# Altium PCB braking_io.PcbDoc (part 2 of 4)
Units mil, origin at the board's own origin, x right, y up, seen from the top; angles counter-clockwise.
Board outline 6000 x 3840 mil, 4 copper layers (Top Layer, GND, PWR, Bottom Layer), stack 61.7 mil thick; 450 components, 207 nets, 1137 pads, 398 vias.
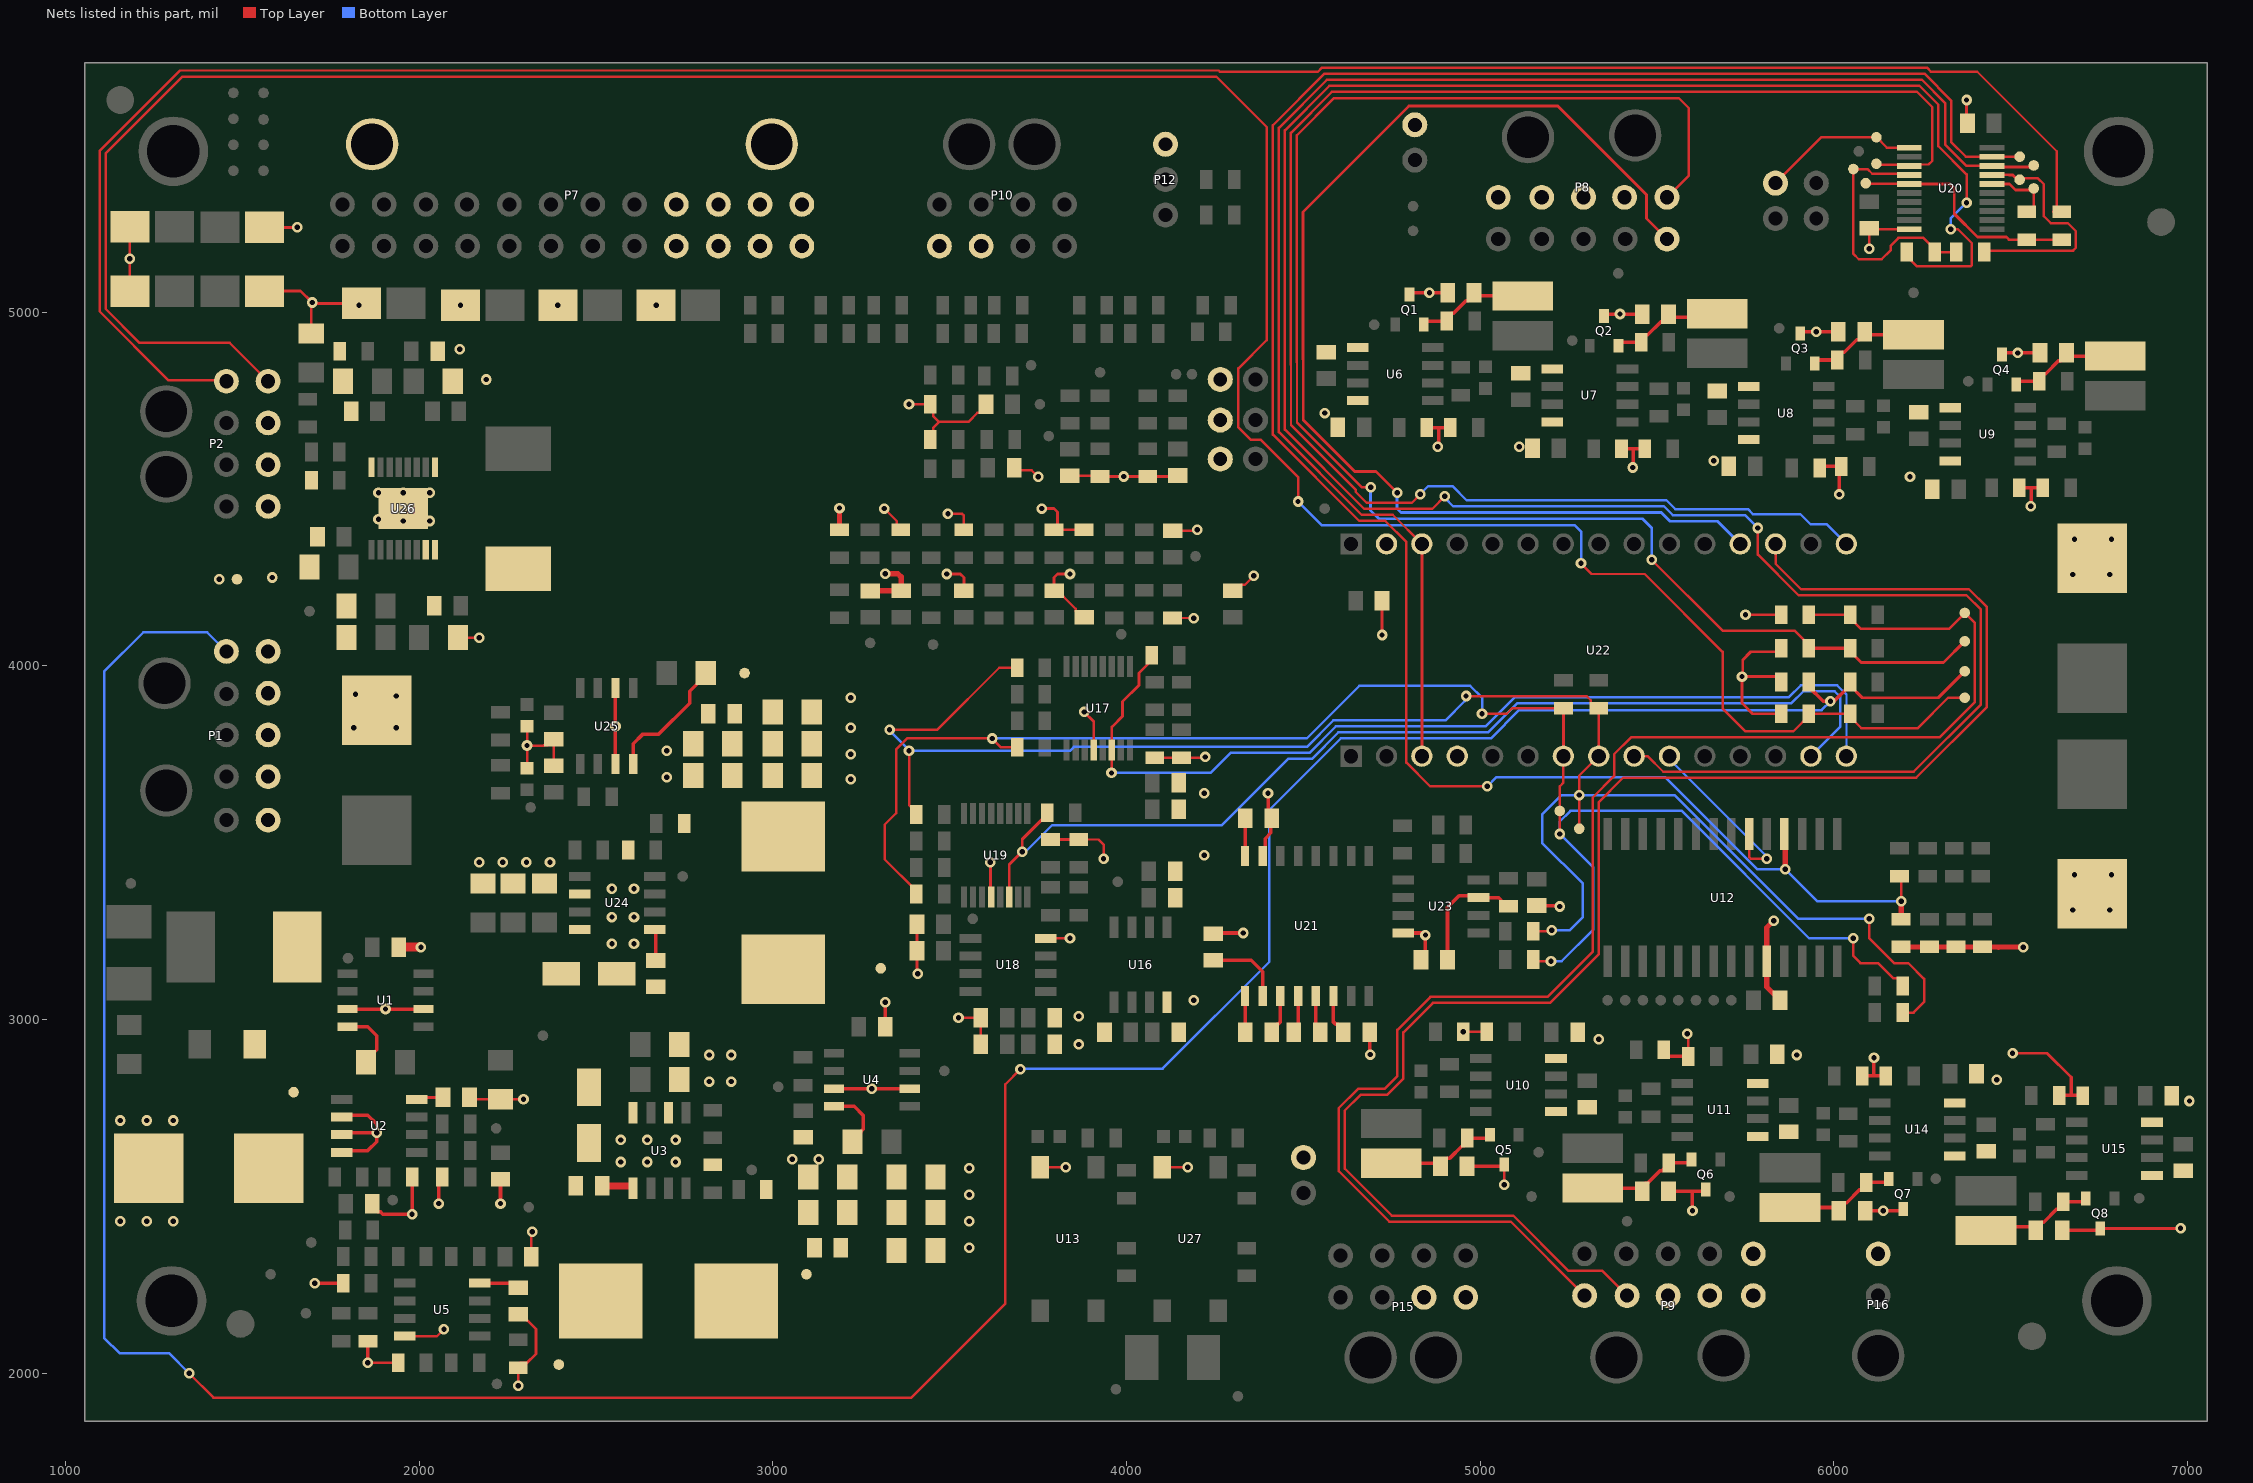
[diagram p4: the nets of this part, all layers, seen from the top]

## Part data (continued)
C106: library part GQM2195C2A100GB01D, "CAP CER 10PF 100V NP0 0805", Digi-Key Part Number=490-6098-1-ND, Manufacturer="Murata Electronics North America", Operating Temperature="-55°C ~ 125°C", Package / Case="0805 (2012 Metric)", Ratings=-, Temperature Coefficient="C0G, NP0", Tolerance=±2%, Voltage=100V, @ qty=0, Applications="RF, Microwave, High Frequency", Datasheets=http://www.murata.com/~/media/webrenewal/support/library/catalog/products/capacitor/mlcc/c02e.pdf, Factory Stock=0, Features="High Q, Low Loss", Height - Seated (Max)=-, Image=//media.digikey.com/Renders/Murata%20Renders/0805(GxM9).jpg, Lead Spacing=-, Lead Style=-, Minimum Quantity=1, Mounting Type="Surface Mount, MLCC", Packaging="Cut Tape (CT)", Part Number=GQM2195C2A100GB01D, Part Status=Active, Quantity Available=3211, Series=GQM, Size / Dimension="0.079\" L x 0.049\" W (2.00mm x 1.25mm)", Thickness (Max)="0.037\" (0.95mm)", Unit Price (USD)=0.91
D1 D18: "DIODE SCHOTTKY 40V 3A SMA", Average Rectified Current=3A, Capacitance=250pF, Case/Package=SMA, Forward Voltage=500mV, Manufacturer=Diodes, Max Forward Surge Current (Ifsm)=80A, Max Operating Temperature=125°C, Max Repetitive Reverse Voltage (Vrrm)=40V, Min Operating Temperature=-55°C, Package Quantity=5000, Peak Reverse Current=500uA, Supplier Part Number 1=B340A-FDICT-ND, ComponentLink1Description=https://datasheet.ciiva.com/26949/getdatasheetpartid-143394-26949352.pdf?src-supplier=Verical, ComponentLink1URL=https://datasheet.ciiva.com/26949/getdatasheetpartid-143394-26949352.pdf?src-supplier=Verical, ComponentLink2Description=https://datasheet.ciiva.com/4245/861ds30891-4245763.pdf?src-supplier=Arrow, ComponentLink2URL=https://datasheet.ciiva.com/4245/861ds30891-4245763.pdf?src-supplier=Arrow, ComponentLink3Description=https://datasheet.ciiva.com/1177/ds30891-1177476.pdf?src-supplier=Element14, ComponentLink3URL=https://datasheet.ciiva.com/1177/ds30891-1177476.pdf?src-supplier=Element14, ComponentLink4Description=https://datasheet.ciiva.com/913/ds30891-913638.pdf?src-supplier=Digi-Key, ComponentLink4URL=https://datasheet.ciiva.com/913/ds30891-913638.pdf?src-supplier=Digi-Key, ComponentLink5Description=https://datasheet.ciiva.com/46393/1911813-46393773.pdf?src-supplier=Element14, ComponentLink5URL=https://datasheet.ciiva.com/46393/1911813-46393773.pdf?src-supplier=Element14, ComponentLink6Description=https://datasheet.ciiva.com/1240/ds30891-1240228.pdf?src-supplier=Newark, ComponentLink6URL=https://datasheet.ciiva.com/1240/ds30891-1240228.pdf?src-supplier=Newark, ComponentLink7Description=https://datasheet.ciiva.com/913/ds30891-913637.pdf?src-supplier=Digi-Key, ComponentLink7URL=https://datasheet.ciiva.com/913/ds30891-913637.pdf?src-supplier=Digi-Key, ComponentLink8Description=https://datasheet.ciiva.com/913/ds30891-913639.pdf?src-supplier=Digi-Key, ComponentLink8URL=https://datasheet.ciiva.com/913/ds30891-913639.pdf?src-supplier=Digi-Key, Contact Plating=Tin,Matte, Current=3A, Current Rating=3A, Element Configuration=Single, Forward Current=3A, Height=2.3mm, Lead Free="Lead Free", Length=4.6mm, Manufacturer Part Number=B340A-13-F, Max Reverse Voltage (DC)=40V, Mount="Surface Mount", Number of Pins=2, Output Current=3A, Packaging="Tape and Reel", Peak Non-Repetitive Surge Current=80A, Polarity=Standard, Pricing 1="1=0.42000, 10=0.33900, 100=0.23070, 500=0.17304, 1000=0.12978 (USD)", Radiation Hardening=No, REACH SVHC="No SVHC", RoHS=Yes, Stock 1=438328, Supplier 1=Digi-Key, Termination=SMD/SMT, Voltage=40V, Voltage Rating (DC)=40V, Weight=0.002258oz, Width=2.92mm
D2 D3 D4 D5 D6 D7 D8 D9: "Diodes - General Purpose, Power, Switching SMT Fast Switching Diode", Manufacturer="Diodes Inc.", Digikey Link=https://www.digikey.com/product-detail/en/diodes-incorporated/1N4148WQ-7-F/1N4148WQ-7-FDITR-ND/8136126, Digikey P/N=1N4148WQ-7-FDITR-ND, Manufacturer P/N=1N4148WQ-7-F
D10 D11 D12 D13 D14 D15 D16 D17: "TVS DIODE 15V 24.4V DO214AA", Breakdown Voltage=16.7V, Case/Package=SMB, Clamping Voltage=24.4V, Current=68A, Leakage Current=1uA, Manufacturer=Littelfuse, Max Breakdown Voltage=18.5V, Max Operating Temperature=150°C, Max Power Dissipation=5W, Max Surge Current=24.6A, Min Operating Temperature=-65°C, Operating Supply Voltage=15V, Package Quantity=3000, Peak Pulse Power=600W, Power Line Protection=No, Supplier Part Number 1=SMBJ15ALFCT-ND, Test Current=1mA, Voltage=5V, ComponentLink1Description=https://datasheet.ciiva.com/34301/1078555-34301957.pdf?src-supplier=Jameco, ComponentLink1URL=https://datasheet.ciiva.com/34301/1078555-34301957.pdf?src-supplier=Jameco, ComponentLink2Description=https://datasheet.ciiva.com/25624/0900766b810f4eeb-25624826.pdf?src-supplier=RSComponents, ComponentLink2URL=https://datasheet.ciiva.com/25624/0900766b810f4eeb-25624826.pdf?src-supplier=RSComponents, ComponentLink3Description=https://datasheet.ciiva.com/46385/13057-46385079.pdf?src-supplier=Element14, ComponentLink3URL=https://datasheet.ciiva.com/46385/13057-46385079.pdf?src-supplier=Element14, ComponentLink4Description=https://datasheet.ciiva.com/331/littelfuse-tvs-diode-smbj-datasheet-pdf-331176.pdf?src-supplier=Digi-Key, ComponentLink4URL=https://datasheet.ciiva.com/331/littelfuse-tvs-diode-smbj-datasheet-pdf-331176.pdf?src-supplier=Digi-Key, ComponentLink5Description=https://datasheet.ciiva.com/331/littelfuse-tvs-diode-smbj-datasheet-pdf-331177.pdf?src-supplier=Digi-Key, ComponentLink5URL=https://datasheet.ciiva.com/331/littelfuse-tvs-diode-smbj-datasheet-pdf-331177.pdf?src-supplier=Digi-Key, ComponentLink6Description=https://datasheet.ciiva.com/331/littelfuse-tvs-diode-smbj-datasheet-pdf-331178.pdf?src-supplier=Digi-Key, ComponentLink6URL=https://datasheet.ciiva.com/331/littelfuse-tvs-diode-smbj-datasheet-pdf-331178.pdf?src-supplier=Digi-Key, ComponentLink7Description=https://datasheet.ciiva.com/25624/0900766b810f4eeb-25624712.pdf?src-supplier=RSComponents, ComponentLink7URL=https://datasheet.ciiva.com/25624/0900766b810f4eeb-25624712.pdf?src-supplier=RSComponents, ComponentLink8Description=https://datasheet.ciiva.com/34302/1546929-34302459.pdf?src-supplier=Jameco, ComponentLink8URL=https://datasheet.ciiva.com/34302/1546929-34302459.pdf?src-supplier=Jameco, ComponentLink9Description=https://datasheet.ciiva.com/46381/1677318-46381958.pdf?src-supplier=Element14, ComponentLink9URL=https://datasheet.ciiva.com/46381/1677318-46381958.pdf?src-supplier=Element14, ComponentLink10Description=https://datasheet.ciiva.com/331/littelfuse-tvs-diode-smbj-datasheet-pdf-331131.pdf?src-supplier=Digi-Key, ComponentLink10URL=https://datasheet.ciiva.com/331/littelfuse-tvs-diode-smbj-datasheet-pdf-331131.pdf?src-supplier=Digi-Key, ComponentLink11Description=https://datasheet.ciiva.com/331/littelfuse-tvs-diode-smbj-datasheet-pdf-331132.pdf?src-supplier=Digi-Key, ComponentLink11URL=https://datasheet.ciiva.com/331/littelfuse-tvs-diode-smbj-datasheet-pdf-331132.pdf?src-supplier=Digi-Key, ComponentLink12Description=https://datasheet.ciiva.com/331/littelfuse-tvs-diode-smbj-datasheet-pdf-331133.pdf?src-supplier=Digi-Key, ComponentLink12URL=https://datasheet.ciiva.com/331/littelfuse-tvs-diode-smbj-datasheet-pdf-331133.pdf?src-supplier=Digi-Key, Composition=Zener, Direction=Unidirectional, Element Configuration=Single, ESD Protection=Yes, Height=2.237mm, Lead Free="Lead Free", Length=4.57mm, Manufacturer Part Number=SMBJ15A, Max Reverse Leakage Current=1uA, Min Breakdown Voltage=16.7V, Mount="Surface Mount", Number of Channels=1, Number of Elements=1, Number of Pins=2, Number of Unidirectional Channels=1, Packaging="Tape and Reel", Peak Pulse Current=24.6A, Polarity=Unidirectional, Power Dissipation=600W, Pricing 1="1=0.45000, 10=0.33900, 25=0.30520, 100=0.21090, 250=0.17760, 500=0.14430, 1000=0.11100 (USD)", Pricing 2="1=0.35000, 10=0.28700, 25=0.26240, 100=0.19540, 250=0.17704, 500=0.14652, 1000=0.10989 (USD)", Radiation Hardening=No, REACH SVHC=Unknown, Reverse Breakdown Voltage=16.7V, Reverse Standoff Voltage=15V, RoHS=Yes, Stock 1=73945, Stock 2=69911, Supplier 1=Digi-Key, Supplier 2=Digi-Key, Supplier Part Number 2=SMBJ5.0ALFCT-ND, Termination=SMD/SMT, Voltage Rating (DC)=15V, Width=3.94mm
F1 F2: Case/Package=SMD/SMT, Current Rating=15A, DC Cold Resistance=4mR, Manufacturer=Eaton, Supplier Part Number 1=283-4104-1-ND, Voltage Rating=125V, Approvals=cULus,PSE, ComponentLink1Description=http://components.arrow.com/part/dataview/0323_05918082?src-supplier=Arrow+Europe, ComponentLink1URL=http://components.arrow.com/part/dataview/0323_05918082?src-supplier=Arrow+Europe, ComponentLink2Description=http://www.cooperindustries.com/content/dam/public/bussmann/Electronics/Resources/product-datasheets/bus-elx-ds-4377-cb61f.pdf?src-supplier=Avnet+Asia, ComponentLink2URL=http://www.cooperindustries.com/content/dam/public/bussmann/Electronics/Resources/product-datasheets/bus-elx-ds-4377-cb61f.pdf?src-supplier=Avnet+Asia, ComponentLink3Description=http://www.cooperindustries.com/content/dam/public/bussmann/Electronics/Resources/product-datasheets/bus-elx-ds-4377-cb61f.pdf?src-supplier=Avnet, ComponentLink3URL=http://www.cooperindustries.com/content/dam/public/bussmann/Electronics/Resources/product-datasheets/bus-elx-ds-4377-cb61f.pdf?src-supplier=Avnet, ComponentLink4Description=http://www.cooperindustries.com/content/dam/public/bussmann/Electronics/Resources/product-datasheets/bus-elx-ds-4377-cb61f.pdf?src-supplier=Digi-Key, ComponentLink4URL=http://www.cooperindustries.com/content/dam/public/bussmann/Electronics/Resources/product-datasheets/bus-elx-ds-4377-cb61f.pdf?src-supplier=Digi-Key, Depth=2.57mm, Fuse Type="Board Mount (Cartridge Style Excluded)", Height=0.101inch, Lead Free="Lead Free", Length=0.24inch, Manufacturer Part Number=CB61F15A-TR1, Mount="Surface Mount", Packaging="Tape and Reel", Pricing 1="1=1.15000, 5=1.11800, 10=1.04600, 50=0.86600, 100=0.72160, 250=0.70356, 500=0.59532 (USD)", RoHS=Yes, Stock 1=11809, Supplier 1=Digi-Key, Voltage Rating (AC)=125V, Voltage Rating (DC)=125V, Width=0.101inch
L1: Inductance=100nH, Manufacturer=Sumida, Saturation Current=8.2A, Supplier Part Number 1=308-2523-1-ND, Manufacturer Part Number=0410CDMCCDS-R10MC, Pricing 1="1=0.93000, 10=0.81700, 100=0.58360, 500=0.49024, 1000=0.39687 (USD)", RoHS=No, Stock 1=5994, Supplier 1=Digi-Key
L2: "Fixed Inductors 1uH 20% Low Profile", Case/Package=3232, Current Rating=18.2A, DC Resistance (DCR)=4.63mR, Inductance=1uH, Inductance Tolerance=20%, Manufacturer="Vishay Dale", Max Operating Temperature=125°C, Min Operating Temperature=-55°C, Package Quantity=500, Saturation Current=12A, Self Resonant Frequency=49MHz, Supplier Part Number 1=541-1348-1-ND, Test Frequency=100kHz, ComponentLink1Description=https://datasheet.ciiva.com/6692/ihlp-3232dz-11-6692199.pdf?src-supplier=Digi-Key, ComponentLink1URL=https://datasheet.ciiva.com/6692/ihlp-3232dz-11-6692199.pdf?src-supplier=Digi-Key, ComponentLink2Description=https://datasheet.ciiva.com/6692/ihlp-3232dz-11-6692200.pdf?src-supplier=Digi-Key, ComponentLink2URL=https://datasheet.ciiva.com/6692/ihlp-3232dz-11-6692200.pdf?src-supplier=Digi-Key, ComponentLink3Description=https://datasheet.ciiva.com/6692/ihlp-3232dz-11-6692201.pdf?src-supplier=Digi-Key, ComponentLink3URL=https://datasheet.ciiva.com/6692/ihlp-3232dz-11-6692201.pdf?src-supplier=Digi-Key, ComponentLink4Description=https://datasheet.ciiva.com/17113/70231623-17113262.pdf?src-supplier=Allied+Electronics, ComponentLink4URL=https://datasheet.ciiva.com/17113/70231623-17113262.pdf?src-supplier=Allied+Electronics, Core Material=Metal,Composite,Ferrite, Depth=8.94mm, Height=4mm, Height - Seated (Max)=0.157inch, Lead Free="Lead Free", Length=8.64mm, Manufacturer Part Number=IHLP3232DZER1R0M11, Max DC Current=18.2A, Military Standard=Not, Mount="Surface Mount", Number of Pins=2, Packaging="Tape and Reel", Pricing 1="1=1.61000, 10=1.49500, 100=1.08100 (USD)", Radiation Hardening=No, REACH SVHC=Unknown, RMS Current (Irms)=18.2A, RoHS=Yes, Shielding=Shielded, Stock 1=9463, Supplier 1=Digi-Key, Termination=SMD/SMT, Tolerance=20%, Width=0.322inch
L3: "Inductor Power Shielded Wirewound 33uH 20% 1KHz 28Q-Factor Ferrite 3.5A 57mOhm DCR Automotive T/R", Case/Package=Nonstandard, Current Rating=3.5A, DC Resistance (DCR)=57mR, Inductance=33uH, Inductance Tolerance=20%, Manufacturer=Bourns, Max Operating Temperature=125°C, Min Operating Temperature=-40°C, Package Quantity=400, Ratings=AEC-Q200, Saturation Current=3.3A, Self Resonant Frequency=9.5MHz, Supplier Part Number 1=06X7909, Test Frequency=1kHz, ComponentLink1Description=https://datasheet.ciiva.com/41859/srr1280a-41859670.pdf?src-supplier=Digi-Key, ComponentLink1URL=https://datasheet.ciiva.com/41859/srr1280a-41859670.pdf?src-supplier=Digi-Key, ComponentLink2Description=https://datasheet.ciiva.com/48684/srr1280a-48684991.pdf?src-supplier=Avnet, ComponentLink2URL=https://datasheet.ciiva.com/48684/srr1280a-48684991.pdf?src-supplier=Avnet, Core Material=Ferrite, Depth=12.8mm, Height=7.5mm, Height - Seated (Max)=0.315inch, Length=0.492inch, Manufacturer Part Number=SRR1280A-330M, Max DC Current=3.5A, Military Standard=Not, Mount="Surface Mount", Packaging="Cut Tape", Pricing 1="2400=0.54000, 4000=0.48600, 6000=0.46800, 10000=0.45800 (USD)", REACH SVHC="No SVHC", RMS Current (Irms)=3.5A, RoHS=Yes, Shielding=Shielded, Stock 1=0, Supplier 1=Newark, Tolerance=20%, Width=0.492inch
L4: "FIXED IND 39UH 4.2A 66 MOHM SMD", Case/Package=1210, Current Rating=4.2A, DC Resistance (DCR)=66mR, Inductance=39uH, Inductance Tolerance=20%, Manufacturer=Bourns, Max Operating Temperature=125°C, Min Operating Temperature=-40°C, Package Quantity=250, Saturation Current=3.5A, Self Resonant Frequency=4.5MHz, Supplier Part Number 1=SRR1210-390MCT-ND, Test Frequency=100kHz, ComponentLink1Description=https://datasheet.ciiva.com/11799/0900766b80f2b72a-11799776.pdf?src-supplier=RSComponents, ComponentLink1URL=https://datasheet.ciiva.com/11799/0900766b80f2b72a-11799776.pdf?src-supplier=RSComponents, ComponentLink2Description=https://datasheet.ciiva.com/1073/srr1210-1073552.pdf?src-supplier=Digi-Key, ComponentLink2URL=https://datasheet.ciiva.com/1073/srr1210-1073552.pdf?src-supplier=Digi-Key, ComponentLink3Description=https://datasheet.ciiva.com/1073/srr1210-1073553.pdf?src-supplier=Digi-Key, ComponentLink3URL=https://datasheet.ciiva.com/1073/srr1210-1073553.pdf?src-supplier=Digi-Key, ComponentLink4Description=https://datasheet.ciiva.com/17285/srr1210-17285947.pdf?src-supplier=Avnet+Europe, ComponentLink4URL=https://datasheet.ciiva.com/17285/srr1210-17285947.pdf?src-supplier=Avnet+Europe, ComponentLink5Description=https://datasheet.ciiva.com/46437/1430851-46437259.pdf?src-supplier=Element14, ComponentLink5URL=https://datasheet.ciiva.com/46437/1430851-46437259.pdf?src-supplier=Element14, ComponentLink6Description=https://datasheet.ciiva.com/6697/srr1210-6697628.pdf?src-supplier=Digi-Key, ComponentLink6URL=https://datasheet.ciiva.com/6697/srr1210-6697628.pdf?src-supplier=Digi-Key, ComponentLink7Description=https://datasheet.ciiva.com/48684/srr1210-48684956.pdf?src-supplier=Avnet, ComponentLink7URL=https://datasheet.ciiva.com/48684/srr1210-48684956.pdf?src-supplier=Avnet, Composition=Wirewound, Core Material=Ferrite, DC Current=4.2A, Depth=12.5mm, Height=10mm, Height - Seated (Max)=0.394inch, Length=12mm, Manufacturer Part Number=SRR1210-390M, Max DC Current=4.2A, Military Standard=Not, Mount="Surface Mount", Packaging="Tape and Reel", Pricing 1="1=1.33000, 10=1.23300, 100=0.89180 (USD)", Q Factor=16, REACH SVHC="No SVHC", RMS Current (Irms)=4.2A, RoHS=Yes, Shielding=Shielded, Stock 1=2802, Supplier 1=Digi-Key, Termination=SMD/SMT, Tolerance=20%, Width=0.472inch
L5: "FIXED IND 15UH 3.2A 50 MOHM SMD", Case/Package=Nonstandard, Current Rating=3.2A, DC Resistance (DCR)=50mR, Inductance=15uH, Inductance Tolerance=30%, Manufacturer="Wurth Electronics", Max Operating Temperature=125°C, Min Operating Temperature=-40°C, Package Quantity=800, Saturation Current=3.25A, Self Resonant Frequency=16MHz, Supplier Part Number 1=732-1077-1-ND, Test Frequency=100kHz, ComponentLink1Description=https://datasheet.ciiva.com/1051/744066150-1051985.pdf?src-supplier=Digi-Key, ComponentLink1URL=https://datasheet.ciiva.com/1051/744066150-1051985.pdf?src-supplier=Digi-Key, ComponentLink2Description=https://datasheet.ciiva.com/7892/1735619-7892648.pdf?src-supplier=Element14, ComponentLink2URL=https://datasheet.ciiva.com/7892/1735619-7892648.pdf?src-supplier=Element14, ComponentLink3Description=https://datasheet.ciiva.com/11803/0900766b80febc54-11803273.pdf?src-supplier=RSComponents, ComponentLink3URL=https://datasheet.ciiva.com/11803/0900766b80febc54-11803273.pdf?src-supplier=RSComponents, ComponentLink4Description=https://datasheet.ciiva.com/13320/744066150-67363-13320654.pdf?src-supplier=Mouser, ComponentLink4URL=https://datasheet.ciiva.com/13320/744066150-67363-13320654.pdf?src-supplier=Mouser, ComponentLink5Description=https://datasheet.ciiva.com/1051/744066150-1051986.pdf?src-supplier=Digi-Key, ComponentLink5URL=https://datasheet.ciiva.com/1051/744066150-1051986.pdf?src-supplier=Digi-Key, ComponentLink6Description=https://datasheet.ciiva.com/1051/744066150-1051987.pdf?src-supplier=Digi-Key, ComponentLink6URL=https://datasheet.ciiva.com/1051/744066150-1051987.pdf?src-supplier=Digi-Key, ComponentLink7Description=https://datasheet.ciiva.com/14123/744066150-ch-ger-eng-ds-14123723.pdf?src-supplier=Distrelec, ComponentLink7URL=https://datasheet.ciiva.com/14123/744066150-ch-ger-eng-ds-14123723.pdf?src-supplier=Distrelec, Composition=Wirewound, Core Material=Ferrite, Depth=10mm, Height=3.8mm, Height - Seated (Max)=0.161inch, Lead Free="Lead Free", Length=10mm, Manufacturer Part Number=744066150, Max DC Current=3.2A, Mount="Surface Mount", Packaging="Cut Tape", Pricing 1="1=1.94000, 10=1.88200, 50=1.64600, 100=1.50500 (USD)", REACH SVHC=Unknown, RMS Current (Irms)=3.2A, RoHS=Yes, Series Resistance=50mR, Shielding=Shielded, Stock 1=1755, Supplier 1=Digi-Key, Termination=SMD/SMT, Tolerance=30%, Weight=0.044904oz, Width=10mm
LED LED1 LED10 LED11: Color=GREEN, Manufacturer="Lite-On Inc.", Manufacturer P/N=LTST-C190KGKT, Package / Case=0603, Digikey P/N=160-1435-1-ND
LED2 LED3 LED4 LED5 LED6 LED7 LED8 LED9: library part "LED GREEN 0603", Manufacturer="Lite-On Inc.", Manufacturer P/N=LTST-C190KGKT, Package / Case=0603, Color=GREEN, Digikey P/N=160-1435-1-ND
P1 P8 P9: "GLOVE, POLYAMIDE, L/FREE, PU, SIZE 6 - More Details", Color=Black, Contact Resistance=10mR, Current Rating=5A, Flammability Rating="UL94 V-0", Insulation Resistance=1GR, Manufacturer=Molex, Max Operating Temperature=105°C, Max Voltage Rating (DC)=250.25kV, Min Operating Temperature=-40°C, Package Quantity=1224, Supplier Part Number 1=WM1817-ND, Voltage Rating=250V, Approvals=UL,CSA,TUV, ComponentLink1Description=https://datasheet.ciiva.com/5150/0430451000-pcb-headers-143006-5150145.pdf?src-supplier=Mouser, ComponentLink1URL=https://datasheet.ciiva.com/5150/0430451000-pcb-headers-143006-5150145.pdf?src-supplier=Mouser, ComponentLink2Description=https://datasheet.ciiva.com/11749/0900766b80027348-11749233.pdf?src-supplier=RSComponents, ComponentLink2URL=https://datasheet.ciiva.com/11749/0900766b80027348-11749233.pdf?src-supplier=RSComponents, ComponentLink3Description=https://datasheet.ciiva.com/19461/883595-19461109.pdf?src-supplier=Jameco, ComponentLink3URL=https://datasheet.ciiva.com/19461/883595-19461109.pdf?src-supplier=Jameco, ComponentLink4Description=https://datasheet.ciiva.com/30068/153980430451000-pcb-headers-30068060.pdf?src-supplier=Onlinecomponents.com, ComponentLink4URL=https://datasheet.ciiva.com/30068/153980430451000-pcb-headers-30068060.pdf?src-supplier=Onlinecomponents.com, ComponentLink5Description=https://datasheet.ciiva.com/14155/04402310-14155207.pdf?src-supplier=Distrelec, ComponentLink5URL=https://datasheet.ciiva.com/14155/04402310-14155207.pdf?src-supplier=Distrelec, ComponentLink6Description=https://datasheet.ciiva.com/18454/70090797-18454139.pdf?src-supplier=Allied+Electronics, ComponentLink6URL=https://datasheet.ciiva.com/18454/70090797-18454139.pdf?src-supplier=Allied+Electronics, ComponentLink7Description=https://datasheet.ciiva.com/16658/0430451000-pcb-headers-16658413.pdf?src-supplier=Avnet+Europe, ComponentLink7URL=https://datasheet.ciiva.com/16658/0430451000-pcb-headers-16658413.pdf?src-supplier=Avnet+Europe, ComponentLink8Description=https://datasheet.ciiva.com/9468/0430451000-pcb-headers-9468495.pdf?src-supplier=Avnet, ComponentLink8URL=https://datasheet.ciiva.com/9468/0430451000-pcb-headers-9468495.pdf?src-supplier=Avnet, Connector Type=Power,Rectangular, Contact Material=Brass,Tin, Contact Plating=Tin, Depth=12.2mm, Diameter=3mm, Gender=Male, Glow Wire Compliant=Compliant, Halogen Free="Low Halogen", Height=8.77mm, Housing Color=Black, Housing Material=Thermoplastic, Lead Free="Lead Free", Length=19.15mm, Manufacturer Part Number=43045-1000, Material=Polyester, Max Current Rating=5A, Mount="Through Hole,PCB", Number of Circuits=10, Number of Contacts=10, Number of Poles=10, Number of Positions=10, Number of Rows=2, Orientation="Right Angle", Packaging=Tray, Pitch=3mm, Pricing 1="1=2.57000, 10=2.33100, 100=1.99790, 500=1.66496, 1000=1.42710, 5000=1.26536 (USD)", Radiation Hardening=No, REACH SVHC=Unknown, RoHS=Yes, Row Spacing=3mm, Stock 1=4799, Supplier 1=Digi-Key, Termination=Solder, Voltage Rating (AC)=250V, Voltage Rating (DC)=250V, Working Voltage=250V
P2 P10 P15: "CONN HEADER R/A 8POS 3MM", Case/Package=SMC, Color=Black, Contact Resistance=10mR, Current Rating=5A, Flammability Rating="UL94 V-0", Insulation Resistance=1GR, Manufacturer=Molex, Max Operating Temperature=105°C, Max Voltage Rating (DC)=250.25kV, Min Operating Temperature=-40°C, Package Quantity=1440, Supplier Part Number 1=WM1816-ND, Voltage Rating=600V, Voltage Rating (AC)=250V, Approvals=UL,CSA,TUV, ComponentLink1Description=https://datasheet.ciiva.com/5158/0430450800-pcb-headers-142625-5158817.pdf?src-supplier=Mouser, ComponentLink1URL=https://datasheet.ciiva.com/5158/0430450800-pcb-headers-142625-5158817.pdf?src-supplier=Mouser, ComponentLink2Description=https://datasheet.ciiva.com/7683/27645-7683683.pdf?src-supplier=Element14, ComponentLink2URL=https://datasheet.ciiva.com/7683/27645-7683683.pdf?src-supplier=Element14, ComponentLink3Description=https://datasheet.ciiva.com/19462/883536-19462164.pdf?src-supplier=Jameco, ComponentLink3URL=https://datasheet.ciiva.com/19462/883536-19462164.pdf?src-supplier=Jameco, ComponentLink4Description=https://datasheet.ciiva.com/11751/0900766b80027348-11751142.pdf?src-supplier=RSComponents, ComponentLink4URL=https://datasheet.ciiva.com/11751/0900766b80027348-11751142.pdf?src-supplier=RSComponents, ComponentLink5Description=https://datasheet.ciiva.com/30198/267770430450800-pcb-headers-30198875.pdf?src-supplier=Onlinecomponents.com, ComponentLink5URL=https://datasheet.ciiva.com/30198/267770430450800-pcb-headers-30198875.pdf?src-supplier=Onlinecomponents.com, ComponentLink6Description=https://datasheet.ciiva.com/1443/1850016-1443537.pdf?src-supplier=Element14, ComponentLink6URL=https://datasheet.ciiva.com/1443/1850016-1443537.pdf?src-supplier=Element14, ComponentLink7Description=https://datasheet.ciiva.com/14155/04402310-14155206.pdf?src-supplier=Distrelec, ComponentLink7URL=https://datasheet.ciiva.com/14155/04402310-14155206.pdf?src-supplier=Distrelec, ComponentLink8Description=https://datasheet.ciiva.com/16657/0430450800-pcb-headers-16657964.pdf?src-supplier=Avnet+Europe, ComponentLink8URL=https://datasheet.ciiva.com/16657/0430450800-pcb-headers-16657964.pdf?src-supplier=Avnet+Europe, ComponentLink9Description=https://datasheet.ciiva.com/10087/0430450800-pcb-headers-10087853.pdf?src-supplier=Avnet, ComponentLink9URL=https://datasheet.ciiva.com/10087/0430450800-pcb-headers-10087853.pdf?src-supplier=Avnet, Contact Material=Brass,Tin, Contact Plating=Tin, Depth=12.2mm, Diameter=3mm, Gender=Male, Glow Wire Compliant=Compliant, Halogen Free="Low Halogen", Height=8.77mm, Housing Color=Black, Housing Material=Thermoplastic, Lead Free="Lead Free", Length=16.15mm, Manufacturer Part Number=43045-0800, Material=Polyester, Max Current Rating=5A, Mount="Through Hole", Number of Circuits=8, Number of Contacts=8, Number of Poles=8, Number of Positions=8, Number of Rows=2, Orientation="Right Angle", Packaging=Tray, Pitch=3mm, Pricing 1="1=1.91000, 10=1.73100, 100=1.48390, 500=1.23656, 1000=1.05990, 5000=0.93978, 10000=0.91858 (USD)", Radiation Hardening=No, REACH SVHC=Unknown, RoHS=Yes, Row Spacing=3mm, Stock 1=2632, Supplier 1=Digi-Key, Termination=Solder, Voltage Rating (DC)=250V, Working Voltage=250V
P3 P4 P5 P6 P11 P13 P14: "Header, 2-Pin", LatestRevisionDate=17-Jul-2002, LatestRevisionNote="Re-released for DXP Platform.", Publisher="Altium Limited"
P7: "Molex MICRO-FIT 3.0 Series, Series Number 43045, 3mm Pitch 24 Way 2 Row Right Angle PCB Header, Solder Termination, 5A", Color=Black, Contact Resistance=10mR, Current Rating=5A, Flammability Rating="UL94 V-0", Insulation Resistance=1GR, Manufacturer=Molex, Max Operating Temperature=105°C, Max Voltage Rating (DC)=250.25kV, Min Operating Temperature=-40°C, Operating Supply Voltage=250V, Package Quantity=576, Supplier Part Number 1=WM4728-ND, Voltage Rating=600V, Approvals=UL,CSA,TUV, ComponentLink1Description=https://datasheet.ciiva.com/19461/800104-19461233.pdf?src-supplier=Jameco, ComponentLink1URL=https://datasheet.ciiva.com/19461/800104-19461233.pdf?src-supplier=Jameco, ComponentLink2Description=https://datasheet.ciiva.com/36179/144580430452400-pcb-headers-36179650.pdf?src-supplier=Onlinecomponents.com, ComponentLink2URL=https://datasheet.ciiva.com/36179/144580430452400-pcb-headers-36179650.pdf?src-supplier=Onlinecomponents.com, ComponentLink3Description=https://datasheet.ciiva.com/5156/0430452400-pcb-headers-5156852.pdf?src-supplier=Mouser, ComponentLink3URL=https://datasheet.ciiva.com/5156/0430452400-pcb-headers-5156852.pdf?src-supplier=Mouser, ComponentLink4Description=https://datasheet.ciiva.com/11748/0900766b80d6135b-11748645.pdf?src-supplier=RSComponents, ComponentLink4URL=https://datasheet.ciiva.com/11748/0900766b80d6135b-11748645.pdf?src-supplier=RSComponents, ComponentLink5Description=https://datasheet.ciiva.com/7839/1596512-7839674.pdf?src-supplier=Element14, ComponentLink5URL=https://datasheet.ciiva.com/7839/1596512-7839674.pdf?src-supplier=Element14, ComponentLink6Description=https://datasheet.ciiva.com/16657/0430452400-pcb-headers-16657916.pdf?src-supplier=Avnet+Europe, ComponentLink6URL=https://datasheet.ciiva.com/16657/0430452400-pcb-headers-16657916.pdf?src-supplier=Avnet+Europe, ComponentLink7Description=https://datasheet.ciiva.com/14155/04402310-14155214.pdf?src-supplier=Distrelec, ComponentLink7URL=https://datasheet.ciiva.com/14155/04402310-14155214.pdf?src-supplier=Distrelec, Contact Material=Brass,Tin, Contact Plating=Tin, Depth=12.2mm, Gender=Male, Glow Wire Compliant=Compliant, Halogen Free="Low Halogen", Height=8.77mm, Housing Color=Black, Housing Material=Thermoplastic, Lead Free="Lead Free", Lead Pitch=3mm, Length=40.15mm, Manufacturer Part Number=43045-2400, Max Current Rating=5A, Mount="Through Hole", Number of Circuits=24, Number of Contacts=24, Number of Poles=24, Number of Positions=24, Number of Rows=2, Orientation="Right Angle", Packaging=Tray, Pitch=3mm, Pricing 1="1=6.20000, 10=5.95100, 100=4.95920, 576=4.21531, 1152=3.59542 (USD)", Radiation Hardening=No, REACH SVHC=Unknown, RoHS=Yes, Row Spacing=3mm, Stock 1=970, Supplier 1=Digi-Key, Termination=Solder, Voltage Rating (AC)=250V, Voltage Rating (DC)=250V, Working Voltage=250V